# Altium PCB mdriver_control.PcbDoc (part 3 of 3)
Units mm, origin at the board's own origin, x right, y up, seen from the top; angles counter-clockwise.
Board outline 165 x 187 mm, 4 copper layers (Top Layer, Int1 (GND), Int2 (PWR), Bottom Layer), stack 1.369 mm thick; 150 components, 152 nets, 724 pads, 366 vias.
Unrouted connection lines stored in the file: 52.
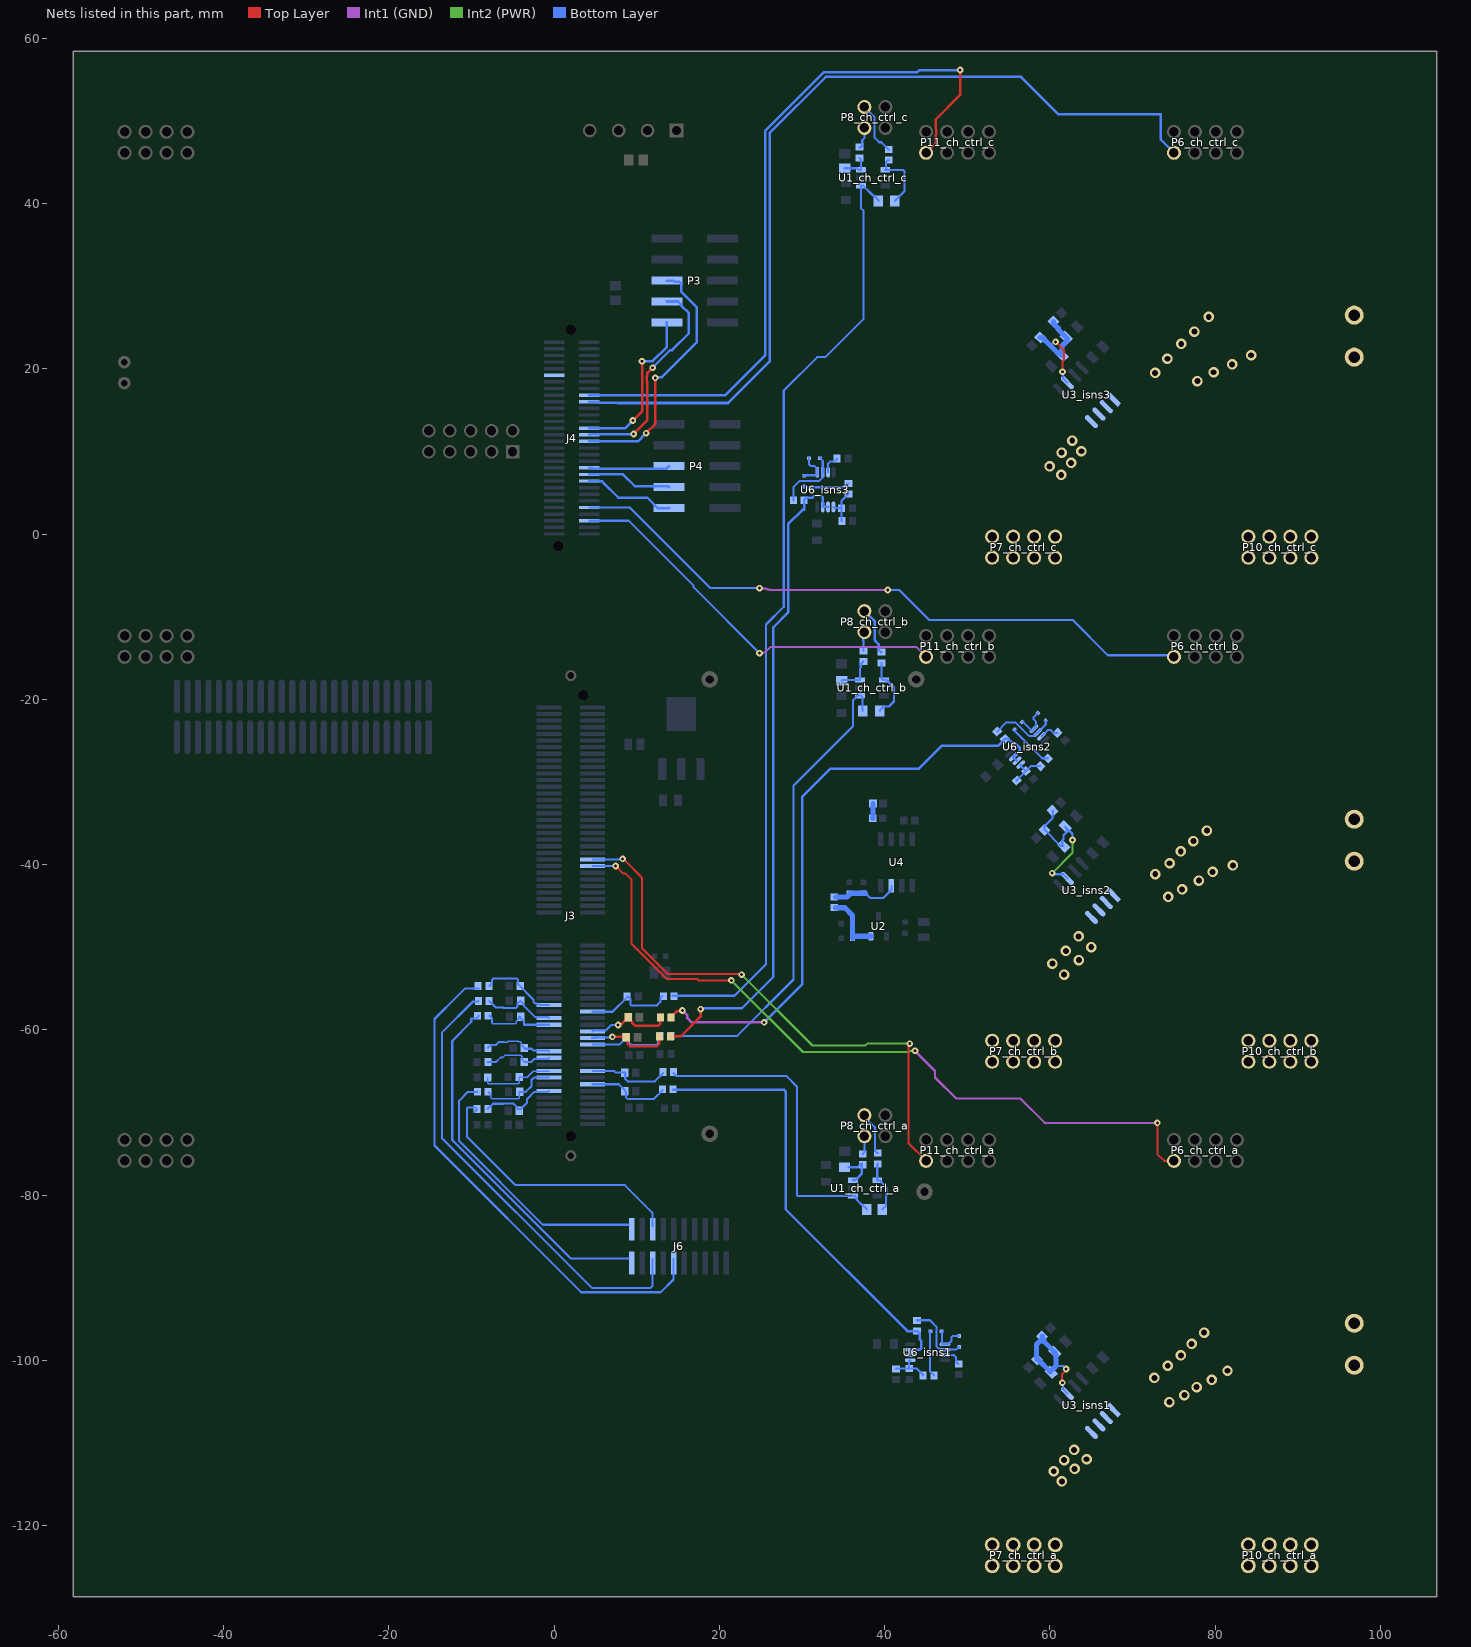
[diagram p5: the nets of this part, all layers, seen from the top]

## Via types
v1: diameter 0.8, hole 0.35, Top Layer to Bottom Layer, 156 vias
v2: diameter 0.8, hole 0.35, Top Layer to Bottom Layer, tented both sides, 149 vias
v3: diameter 1.27, hole 0.711, Top Layer to Bottom Layer, 55 vias
v4: diameter 5, hole 5, Top Layer to Bottom Layer, 6 vias

## Nets (pads, with @x,y where several pads share a name; then routed paths per layer and width w, separated by ;. In a path a pad name is that pad's centre, name@x,y a point inside that pad or via, vN(x,y) a via of type N, cw(c..) or ccw(c..) an arc to the next point about the centre after c; other vN are vias at no path point) (continued)
isense_che: C21.2 J3.15 R20.1 | length 9.8
  Bottom Layer w0.152: R20.1@-7.989,-67.496 -7.64,-67.845 -7.64,-68.195 -7.509,-68.327 -4.311,-68.327 -4.222,-68.237 -4.222,-67.554 C21.2@-4.165,-67.496
  Bottom Layer w0.254: C21.2@-4.165,-67.496 -3.414,-67.496 -2.735,-66.817 -2.735,-66.067 -2.45,-65.782 J3.15@-0.607,-65.782
isense_che_in: J6.19 R20.2 | length 32.2
  Bottom Layer w0.254: R20.2@-9.289,-67.496 -10.414,-67.496 -11.491,-68.573 -11.491,-73.453 -1.356,-83.587 9.015,-83.587
isense_chf: C25.2 J3.33 R22.1 | length 9.1
  Bottom Layer w0.254: R22.1@-7.825,-56.487 -7.825,-56.537 -7.075,-57.287 -6.139,-57.287 -6.058,-57.368 -4.653,-57.368 -4.423,-57.139 -4.423,-56.81 -4.1,-56.487 -3.777,-56.81 -3.777,-56.97 -2.288,-58.459 -0.73,-58.459 J3.33@-0.607,-58.582
isense_chf_in: J6.16 R22.2 | length 55.2
  Bottom Layer w0.254: R22.2@-9.125,-56.487 -9.212,-56.575 -9.815,-56.575 -13.575,-60.334 -13.575,-73.087 4.566,-91.228 11.674,-91.228 11.928,-90.974 J6.16@11.928,-87.739
isense_peak_a: C22.2 J3.14 R17.1 | length 10.1
  Bottom Layer w0.254: J3.14@4.643,-66.582 7.843,-66.582 8.592,-67.331 8.592,-67.381 8.721,-67.51 8.721,-68.199 8.869,-68.348 12.097,-68.348 13.139,-67.306 R17.1@13.139,-67.256
isense_peak_b: C29.2 J3.30 R26.1 | length 10.3
  Top Layer w0.305: v2(7.754,-59.416) 7.848,-59.322 8.166,-59.322 8.725,-58.762 8.725,-58.687 8.925,-58.487 C29.2@8.95,-58.487 8.95,-58.537 9.444,-59.031 9.444,-59.156 9.775,-59.487 12.625,-59.487 12.875,-59.237 R26.1@12.875,-58.487
  Bottom Layer w0.254: J3.30@4.643,-60.182 4.766,-60.059 6.279,-60.059 6.922,-59.416 v2(7.754,-59.416)
isense_peak_c: C32.2 J3.28 R29.1 | length 10
  Top Layer w0.305: v2(7.053,-60.855) 8.717,-60.855 C32.2@8.75,-60.887 8.925,-61.062 8.925,-61.687 9.225,-61.987 12.425,-61.987 12.725,-61.687 12.725,-60.837 R29.1@12.775,-60.787
  Bottom Layer w0.254: J3.28@5.125,-60.887 5.156,-60.918 6.989,-60.918 v2(7.053,-60.855)
  Bottom Layer w0.305: J3.28@4.643,-60.982 5.03,-60.982 J3.28@5.125,-60.887
isense_peak_d: C34.2 J3.17 R31.1 | length 9.2
  Bottom Layer w0.152: R31.1@-8.029,-65.778 -8.017,-65.789 -8.017,-66.424 -7.901,-66.541 -4.342,-66.541 -4.226,-66.424 C34.2@-4.226,-65.711 -3.26,-65.711 -2.531,-64.982 J3.17@-0.607,-64.982
isense_peak_e: C33.2 J3.23 R30.1 | length 8.4
  Bottom Layer w0.152: -6.075,-61.487 -5.667,-61.487 -5.537,-61.357 -4.363,-61.357 -4.266,-61.454 -4.08,-61.454 -3.958,-61.577 -3.958,-61.83 C33.2@-3.6,-62.187
  Bottom Layer w0.254: R30.1@-7.975,-62.187 -7.975,-62.137 -7.677,-61.839 -7.052,-61.839 -6.7,-61.487 -6.075,-61.487 ; C33.2@-3.625,-62.187 -3.525,-62.287 -2.725,-62.287 -2.512,-62.501 -0.688,-62.501 J3.23@-0.607,-62.582
isense_peak_f: C35.2 J3.21 R32.1 | length 8.6
  Bottom Layer w0.152: -5.939,-63.057 -4.06,-63.057 -3.87,-63.248 -3.87,-63.618 C35.2@-3.6,-63.887
  Bottom Layer w0.203: -7.027,-63.856 -6.996,-63.887 -6.948,-63.84 -6.948,-63.812 -6.48,-63.344 -6.226,-63.344 -5.939,-63.057
  Bottom Layer w0.254: R32.1@-8.025,-63.887 -7.059,-63.887 -7.027,-63.856 ; C35.2@-3.6,-63.887 -2.769,-63.887 -2.387,-63.505 -0.73,-63.505 J3.21@-0.607,-63.382
lega_cha_state: J3.72 P6_ch_ctrl_a.7 | length 92.5
  Top Layer w0.254: v2(7.442,-40.176) 8.322,-41.055 8.614,-41.055 9.389,-41.83 9.389,-49.603 13.631,-53.845 17.333,-53.845 17.507,-54.019 v2(21.461,-54.019) ; v2(73.009,-71.26) 73.009,-75.045 73.821,-75.857 P6_ch_ctrl_a.7@75.015,-75.857
  Int1 (GND) w0.254: v2(43.673,-62.523) 43.673,-62.556 46.098,-64.982 46.098,-65.763 48.648,-68.313 56.43,-68.313 59.377,-71.26 v2(73.009,-71.26)
  Int2 (PWR) w0.254: v2(21.461,-54.019) 30.119,-62.677 42.885,-62.677 43.006,-62.557 43.639,-62.557 v2(43.673,-62.523)
  Bottom Layer w0.254: J3.72@4.643,-40.182 7.435,-40.182 v2(7.442,-40.176)
lega_chb_state: J4.10 P6_ch_ctrl_b.7 | length 78.2
  Int1 (GND) w0.254: v2(24.863,-6.54) 24.917,-6.594 25.644,-6.594 25.771,-6.721 26.042,-6.721 26.092,-6.771 v2(40.384,-6.771)
  Bottom Layer w0.254: J4.10@4.273,3.213 9.171,3.213 18.924,-6.54 v2(24.863,-6.54) ; v2(40.384,-6.771) 41.777,-6.771 45.406,-10.401 62.755,-10.401 67.022,-14.668 74.826,-14.668 P6_ch_ctrl_b.7@75.015,-14.857
lega_chc_state: J4.42 P6_ch_ctrl_c.7 | length 109
  Bottom Layer w0.305: J4.42@4.273,16.015 5.319,16.015 5.461,15.874 7.708,15.874 7.721,15.86 21.067,15.86 26.126,20.919 26.126,48.584 32.876,55.334 56.506,55.334 61.053,50.787 73.438,50.787 73.438,47.72 P6_ch_ctrl_c.7@75.015,46.143
legb_cha_state: J3.74 P11_ch_ctrl_a.7 | length 68
  Top Layer w0.254: v2(8.288,-39.306) 8.347,-39.306 10.634,-41.593 10.634,-50.129 13.742,-53.238 22.616,-53.238 v2(22.696,-53.318) ; v2(43.035,-61.659) 42.931,-61.763 42.931,-62.041 42.892,-62.08 42.892,-73.734 P11_ch_ctrl_a.7@45.015,-75.857
  Int2 (PWR) w0.254: v2(22.696,-53.318) 31.274,-61.896 37.665,-61.896 37.903,-61.659 v2(43.035,-61.659)
  Bottom Layer w0.254: J3.74@4.643,-39.382 8.212,-39.382 v2(8.288,-39.306)
legb_chb_state: J4.6 P11_ch_ctrl_b.7 | length 48.3
  Int1 (GND) w0.254: v2(24.863,-14.414) 24.967,-14.31 25.542,-14.31 26.205,-13.647 43.805,-13.647 P11_ch_ctrl_b.7@45.015,-14.857
  Bottom Layer w0.254: J4.6@4.273,1.613 9.023,1.613 16.891,-6.255 16.891,-6.442 v2(24.863,-14.414)
legb_chc_state: J4.44 P11_ch_ctrl_c.7 | length 88.8
  Top Layer w0.305: P11_ch_ctrl_c.7@45.015,46.143 46.199,47.327 46.199,48.262 ccw(c45.015,48.683) 46.199,49.103 46.199,50.197 49.137,53.135 v2(49.137,56.155)
  Bottom Layer w0.305: J4.44@4.273,16.814 6.582,16.814 20.725,16.814 25.567,21.657 25.567,48.815 32.645,55.893 43.956,55.893 44.218,56.155 v2(49.137,56.155)
"Net10nF 0603_isns1_2": "10nF 0603_isns1.2" R14_isns1.2 R16_isns1.2 U6_isns1.5 | length 4.7
  Bottom Layer w0.254: R16_isns1.2@41.393,-101.013 41.419,-100.988 42.968,-100.988 ; U6_isns1.5@43.103,-99.997 43.058,-99.997 42.968,-100.087 42.968,-100.988 ; R14_isns1.2@44.655,-101.816 44.655,-101.766 43.877,-100.988 42.968,-100.988
"Net10nF 0603_isns2_2": "10nF 0603_isns2.2" R14_isns2.2 R16_isns2.2 U6_isns2.5 | length 4.7
  Bottom Layer w0.254: R16_isns2.2@55.986,-29.829 55.986,-29.793 57.082,-28.697 ; U6_isns2.5@56.477,-27.901 56.445,-27.932 56.445,-28.06 57.082,-28.697 ; R14_isns2.2@58.86,-28.09 58.825,-28.054 57.725,-28.054 57.082,-28.697
"Net10nF 0603_isns3_2": "10nF 0603_isns3.2" R14_isns3.2 R16_isns3.2 U6_isns3.5 | length 4.7
  Bottom Layer w0.254: U6_isns3.5@33.807,3.282 33.807,3.238 33.898,3.147 34.798,3.147 ; R16_isns3.2@34.824,1.572 34.798,1.598 34.798,3.147 ; R14_isns3.2@35.626,4.834 35.576,4.834 34.798,4.056 34.798,3.147
NetC1_isns1_1: C1_isns1.1 C2_isns1.2 R5_isns1.1 R6_isns1.2 U3_isns1.6 | length 15.7
  Top Layer w0.254: v2(61.518,-102.71) 61.482,-102.674 61.482,-101.667 61.956,-101.194 v2(61.956,-101.046)
  Bottom Layer w0.254: R5_isns1.1@59.068,-97.085 59.068,-97.367 59.091,-97.39 R5_isns1.1@59.249,-97.549 ; 60.74,-100.673 61.583,-100.673 v2(61.956,-101.046) ; v2(61.518,-102.71) 61.566,-102.758 61.566,-103.413 61.548,-103.431 U3_isns1.6@62.109,-103.992
  Bottom Layer w0.635: R6_isns1.2@58.428,-99.89 R6_isns1.2@58.568,-99.89 ; R5_isns1.1@59.068,-97.085 59.103,-97.12 59.103,-97.378 59.091,-97.39 58.393,-98.089 58.393,-99.714 R6_isns1.2@58.568,-99.89 ; R5_isns1.1@59.249,-97.549 59.249,-97.682 C1_isns1.1@60.581,-99.014 60.435,-99.014 60.74,-99.319 60.74,-100.673 60.046,-101.367 R6_isns1.2@58.568,-99.89
NetC1_isns2_1: C1_isns2.1 C2_isns2.2 R5_isns2.1 R6_isns2.2 U3_isns2.6 | length 17.3
  Int2 (PWR) w0.254: v2(60.265,-41.034) 62.729,-38.57 v2(62.729,-37.02)
  Bottom Layer w0.254: v2(60.265,-41.034) 60.334,-41.034 60.473,-41.172 61.614,-41.172 U3_isns2.6@62.109,-41.667 ; R5_isns2.1@60.319,-33.487 60.354,-33.523 60.354,-34.05 60.319,-34.086 60.319,-34.376 59.37,-35.325 R6_isns2.2@59.37,-35.799 61.333,-37.762 C2_isns2.2@61.651,-37.762 ; C2_isns2.2@61.571,-37.682 61.492,-37.603 61.492,-37.11 61.651,-36.951 61.651,-36.439 62.012,-36.077 C1_isns2.1@62.012,-35.585 ; C1_isns2.1@61.853,-35.426 61.932,-35.506 C1_isns2.1@62.012,-35.585 ; v2(62.729,-37.02) 62.729,-36.303 C1_isns2.1@62.012,-35.585
NetC1_isns3_1: C1_isns3.1 C2_isns3.2 R5_isns3.1 R6_isns3.2 U3_isns3.6 | length 15
  Top Layer w0.254: v2(60.697,23.254) 61.706,22.245 61.706,21.139 61.509,20.943 61.509,19.648 v2(61.519,19.638)
  Bottom Layer w0.254: 60.064,22.795 60.523,23.254 v2(60.697,23.254) ; v2(61.519,19.638) 61.566,19.591 61.566,18.885 61.562,18.88 U3_isns3.6@62.109,18.333
  Bottom Layer w0.635: R6_isns3.2@58.83,23.8 59.059,23.8 60.064,22.795 61.069,21.79 C2_isns3.2@61.311,21.79 ; R5_isns3.1@60.426,25.738 60.426,25.48 61.01,24.896 61.01,24.758 C1_isns3.1@61.977,23.792 62.136,23.633 62.136,23.41 61.47,22.744 61.47,22.172 61.311,22.013 C2_isns3.2@61.311,21.79 ; C2_isns3.2@61.47,21.631 C2_isns3.2@61.311,21.79
NetC3_2: C3.2 C7.2 R10.2 U4.3 | length 8.1
  Bottom Layer w0.254: C7.2@37.695,-43.466 37.709,-43.466 38.282,-44.039 39.846,-44.039 40.815,-43.07 U4.3@40.815,-42.57
  Bottom Layer w0.635: R10.2@34.084,-43.921 35.451,-43.921 35.873,-43.498 35.873,-43.473 35.881,-43.466 35.906,-43.466 C7.2@37.695,-43.466
NetC4_2: C4.2 R9.2 | length 1.8
  Bottom Layer w0.635: C4.2@38.563,-34.411 38.582,-34.392 38.582,-32.627 R9.2@38.601,-32.609
NetC6_2: C6.2 C8.2 R10.1 U2.2 | length 7.2
  Bottom Layer w0.635: R10.1@34.084,-45.221 35.192,-45.221 36.119,-46.147 C8.2@36.119,-47.143 C6.2@36.119,-48.921 ; C6.2@36.352,-48.663 U2.2@38.328,-48.663
NetD2_isns1_1: D2_isns1.1 D3_isns1.2 U6_isns1.1 | length 4.3
  Bottom Layer w0.254: D3_isns1.2@46.879,-96.456 46.942,-96.519 46.942,-97.956 47.033,-98.047 47.675,-98.047 48.071,-97.651 48.071,-97.221 48.251,-97.041 D2_isns1.1@49.013,-97.041
NetD2_isns1_2: D2_isns1.2 R13_isns1.1 U6_isns1.2 | length 8.1
  Bottom Layer w0.254: R13_isns1.1@43.908,-95.146 45.484,-95.146 46.258,-95.921 46.258,-98.284 46.634,-98.659 47.266,-98.659 U6_isns1.2@47.303,-98.697 48.677,-98.697 48.9,-98.474 48.94,-98.474 49.013,-98.401 D2_isns1.2@49.013,-98.361
NetD2_isns2_1: D2_isns2.1 D3_isns2.2 U6_isns2.1 | length 4.3
  Bottom Layer w0.254: D3_isns2.2@56.643,-22.727 56.732,-22.727 57.748,-23.743 57.876,-23.743 58.331,-23.289 58.331,-22.729 58.026,-22.425 58.026,-22.171 D2_isns2.1@58.565,-21.631
NetD2_isns2_2: D2_isns2.2 R13_isns2.1 U6_isns2.2 | length 8.1
  Bottom Layer w0.254: R13_isns2.1@53.615,-23.902 54.73,-22.787 55.825,-22.787 57.496,-24.458 58.027,-24.458 58.474,-24.011 U6_isns2.2@58.527,-24.011 59.499,-23.04 59.499,-22.725 59.527,-22.696 59.527,-22.593 D2_isns2.2@59.499,-22.565
NetD2_isns3_1: D2_isns3.1 D3_isns3.2 U6_isns3.1 | length 4.3
  Bottom Layer w0.254: D3_isns3.2@30.267,7.058 30.33,7.121 31.767,7.121 31.857,7.212 31.857,7.854 31.461,8.25 31.031,8.25 30.851,8.43 D2_isns3.1@30.851,9.192
NetD2_isns3_2: D2_isns3.2 R13_isns3.1 U6_isns3.2 | length 8.1
  Bottom Layer w0.254: R13_isns3.1@28.956,4.087 28.956,5.663 29.731,6.437 32.094,6.437 32.47,6.813 32.47,7.445 U6_isns3.2@32.507,7.482 32.507,8.856 32.284,9.079 32.284,9.119 32.211,9.192 D2_isns3.2@32.171,9.192
NetD3_isns1_1: D3_isns1.1 R14_isns1.1 | length 5.6
  Bottom Layer w0.254: D3_isns1.1@45.559,-96.456 45.556,-96.456 45.483,-96.529 45.483,-101.294 45.955,-101.766 R14_isns1.1@45.955,-101.816
NetD3_isns2_1: D3_isns2.1 R14_isns2.1 | length 5.6
  Bottom Layer w0.254: D3_isns2.1@55.71,-23.66 55.707,-23.663 55.707,-23.766 59.076,-27.135 59.744,-27.135 R14_isns2.1@59.779,-27.17
NetD3_isns3_1: D3_isns3.1 R14_isns3.1 | length 5.6
  Bottom Layer w0.254: D3_isns3.1@30.267,5.738 30.267,5.735 30.34,5.662 35.104,5.662 35.576,6.134 R14_isns3.1@35.626,6.134
NetJ1_ch_ctrl_a_1: J1_ch_ctrl_a.1 P10_ch_ctrl_a.1 P10_ch_ctrl_a.2 P10_ch_ctrl_a.3 P10_ch_ctrl_a.4 P10_ch_ctrl_a.5 P10_ch_ctrl_a.6 P10_ch_ctrl_a.7 P10_ch_ctrl_a.8
NetJ1_ch_ctrl_a_2: J1_ch_ctrl_a.2 U3_isns1.1 U3_isns1.2
  other v3: 74.464,-105.046 76.274,-104.19 77.761,-103.236 79.585,-102.352 72.64,-102.114 81.493,-101.258 74.267,-100.655 75.853,-99.392 77.157,-98.003 78.659,-96.628
NetJ1_ch_ctrl_b_1: J1_ch_ctrl_b.1 P10_ch_ctrl_b.1 P10_ch_ctrl_b.2 P10_ch_ctrl_b.3 P10_ch_ctrl_b.4 P10_ch_ctrl_b.5 P10_ch_ctrl_b.6 P10_ch_ctrl_b.7 P10_ch_ctrl_b.8
NetJ1_ch_ctrl_b_2: J1_ch_ctrl_b.2 U3_isns2.1 U3_isns2.2
  other v3: 74.32,-43.912 76.008,-43.001 78.038,-41.939 72.745,-41.142 79.689,-40.895 82.156,-40.098 74.49,-39.832 75.837,-38.409 77.374,-37.157 79.006,-35.886
NetJ1_ch_ctrl_c_1: J1_ch_ctrl_c.1 P10_ch_ctrl_c.1 P10_ch_ctrl_c.2 P10_ch_ctrl_c.3 P10_ch_ctrl_c.4 P10_ch_ctrl_c.5 P10_ch_ctrl_c.6 P10_ch_ctrl_c.7 P10_ch_ctrl_c.8
NetJ1_ch_ctrl_c_2: J1_ch_ctrl_c.2 U3_isns3.1 U3_isns3.2
  other v3: 77.841,18.516 72.729,19.511 79.814,19.579 82.05,20.533 74.225,21.211 84.353,21.64 75.891,23.013 77.489,24.509 79.223,26.277
NetP7_ch_ctrl_a_1: P7_ch_ctrl_a.1 P7_ch_ctrl_a.2 P7_ch_ctrl_a.3 P7_ch_ctrl_a.4 P7_ch_ctrl_a.5 P7_ch_ctrl_a.6 P7_ch_ctrl_a.7 P7_ch_ctrl_a.8 U3_isns1.3 U3_isns1.4
  other v3: 61.445,-114.642 60.463,-113.421 62.988,-113.127 61.711,-112.075 64.433,-111.962 62.918,-110.84
NetP7_ch_ctrl_b_1: P7_ch_ctrl_b.1 P7_ch_ctrl_b.2 P7_ch_ctrl_b.3 P7_ch_ctrl_b.4 P7_ch_ctrl_b.5 P7_ch_ctrl_b.6 P7_ch_ctrl_b.7 P7_ch_ctrl_b.8 U3_isns2.3 U3_isns2.4
  other v3: 61.717,-53.304 60.31,-51.982 63.508,-51.555 61.93,-50.447 65.001,-49.978 63.465,-48.698
NetP7_ch_ctrl_c_1: P7_ch_ctrl_c.1 P7_ch_ctrl_c.2 P7_ch_ctrl_c.3 P7_ch_ctrl_c.4 P7_ch_ctrl_c.5 P7_ch_ctrl_c.6 P7_ch_ctrl_c.7 P7_ch_ctrl_c.8 U3_isns3.3 U3_isns3.4
  other v3: 61.376,7.166 59.969,8.189 62.57,8.616 61.419,9.852 63.807,10.023 62.698,11.302
NetR1_ch_ctrl_a_1: R1_ch_ctrl_a.1 R2_ch_ctrl_a.2 U1_ch_ctrl_a.4 | length 6.4
  Bottom Layer w0.254: R2_ch_ctrl_a.2@39.175,-76.208 39.109,-76.274 U1_ch_ctrl_a.4@39.109,-78.209 39.384,-78.209 40.225,-79.05 40.225,-80.089 40.176,-80.137 40.176,-81.276 R1_ch_ctrl_a.1@39.728,-81.724
NetR1_ch_ctrl_a_2: R1_ch_ctrl_a.2 R11.2 U1_ch_ctrl_a.1 | length 38.1
  Bottom Layer w0.254: R11.2@14.459,-65.224 14.459,-65.274 14.757,-65.572 28.096,-65.572 29.373,-66.849 29.373,-79.96 29.522,-80.109 U1_ch_ctrl_a.1@36.159,-80.109 36.434,-80.109 36.632,-80.307 36.632,-80.56 37.26,-81.188 37.36,-81.188 37.808,-81.636 R1_ch_ctrl_a.2@37.808,-81.736
NetR1_ch_ctrl_b_1: R1_ch_ctrl_b.1 R2_ch_ctrl_b.2 U1_ch_ctrl_b.4 | length 7.8
  Bottom Layer w0.254: R1_ch_ctrl_b.1@39.419,-21.411 39.419,-21.311 39.867,-20.863 40.532,-20.863 41.139,-20.256 41.139,-18.572 40.222,-17.655 U1_ch_ctrl_b.4@39.947,-17.655 39.813,-17.655 39.615,-17.457 R2_ch_ctrl_b.2@39.615,-15.587
NetR1_ch_ctrl_b_2: R1_ch_ctrl_b.2 R25.2 U1_ch_ctrl_b.1 | length 57.8
  Bottom Layer w0.254: R25.2@13.875,-60.728 22.16,-60.728 28.975,-53.913 28.975,-30.437 36.186,-23.226 36.186,-20.091 36.722,-19.555 U1_ch_ctrl_b.1@36.997,-19.555 37.145,-19.555 37.343,-19.753 R1_ch_ctrl_b.2@37.343,-21.399
NetR1_ch_ctrl_c_1: R1_ch_ctrl_c.1 R2_ch_ctrl_c.2 U1_ch_ctrl_c.4 | length 7.9
  Bottom Layer w0.254: U1_ch_ctrl_c.4@40.074,44.067 U1_ch_ctrl_c.4@40.349,44.067 ; R2_ch_ctrl_c.2@40.504,45.261 40.454,45.261 40.156,44.963 40.156,44.26 U1_ch_ctrl_c.4@40.349,44.067 ; R1_ch_ctrl_c.1@41.252,40.323 42.411,41.481 42.411,43.918 42.262,44.067 U1_ch_ctrl_c.4@40.349,44.067
NetR1_ch_ctrl_c_2: R1_ch_ctrl_c.2 R28.2 U1_ch_ctrl_c.1 | length 115.7
  Bottom Layer w0.254: R28.2@14.325,-55.877 21.836,-55.877 25.644,-52.068 25.644,-10.94 27.792,-8.792 27.792,17.379 31.825,21.413 32.825,21.413 37.456,26.044 37.456,39.111 37.124,39.443 U1_ch_ctrl_c.1@37.124,42.167 37.399,42.167 38.599,40.967 38.599,40.958 38.713,40.958 39.248,40.423 R1_ch_ctrl_c.2@39.248,40.323
NetR3_ch_ctrl_a_2: R3_ch_ctrl_a.2 R4_ch_ctrl_a.2 U1_ch_ctrl_a.3 | length 4.3
  Bottom Layer w0.305: R4_ch_ctrl_a.2@35.678,-76.63 36.724,-76.63 37.152,-76.202 37.202,-76.202 37.202,-77.441 36.434,-78.209 U1_ch_ctrl_a.3@36.159,-78.209
NetR3_ch_ctrl_b_2: R3_ch_ctrl_b.2 R4_ch_ctrl_b.2 U1_ch_ctrl_b.3 | length 4.6
  Bottom Layer w0.254: R4_ch_ctrl_b.2@34.809,-17.722 34.876,-17.655 U1_ch_ctrl_b.3@36.997,-17.655 36.997,-16.28 37.108,-16.169 37.108,-15.743 37.406,-15.445 R3_ch_ctrl_b.2@37.456,-15.445
NetR3_ch_ctrl_c_2: R3_ch_ctrl_c.2 R4_ch_ctrl_c.2 U1_ch_ctrl_c.3 | length 3.6
  Bottom Layer w0.254: R4_ch_ctrl_c.2@35.17,44.274 36.642,44.274 36.849,44.067 U1_ch_ctrl_c.3@37.124,44.067 37.124,45.339 R3_ch_ctrl_c.2@36.948,45.515
NetR13_isns1_2: R13_isns1.2 R17.2 U6_isns1.6 U6_isns1.7 | length 54.3
  Bottom Layer w0.305: R17.2@14.439,-67.256 27.847,-67.256 28.025,-67.435 28.025,-81.713 42.758,-96.446 R13_isns1.2@43.908,-96.446 43.958,-96.446 44.23,-96.719 44.23,-97.439 44.441,-97.65 44.441,-98.518 44.263,-98.697 U6_isns1.7@43.103,-98.697 U6_isns1.6@43.103,-99.347
NetR13_isns2_2: R13_isns2.2 R26.2 U6_isns2.6 U6_isns2.7 | length 73.4
  Top Layer w0.305: R26.2@14.175,-58.487 14.175,-58.437 14.879,-57.734 15.455,-57.734 v1(15.525,-57.663)
  Int1 (GND) w0.305: v1(15.525,-57.663) 15.525,-57.681 16.123,-58.278 16.123,-58.585 16.625,-59.088 v1(25.425,-59.088)
  Bottom Layer w0.305: v1(25.425,-59.088) 30.015,-54.497 30.015,-31.797 33.425,-28.387 44.147,-28.387 46.901,-25.633 53.722,-25.633 R13_isns2.2@54.535,-24.821 54.57,-24.785 54.956,-24.785 55.465,-25.295 55.763,-25.295 56.377,-25.909 56.377,-26.161 U6_isns2.7@55.557,-26.981 U6_isns2.6@56.017,-27.441
NetR13_isns3_2: R13_isns3.2 R29.2 U6_isns3.6 U6_isns3.7 | length 79.7
  Top Layer w0.305: R29.2@14.075,-60.787 15.325,-60.787 17.725,-58.387 v1(17.725,-57.487)
  Bottom Layer w0.305: v1(17.725,-57.487) 17.825,-57.387 22.725,-57.387 26.525,-53.587 26.525,-11.287 28.325,-9.487 28.325,1.213 30.05,2.938 30.256,2.938 R13_isns3.2@30.256,4.087 30.256,4.137 30.529,4.409 31.25,4.409 31.461,4.62 32.329,4.62 32.507,4.442 U6_isns3.7@32.507,3.282 U6_isns3.6@33.157,3.282
NetR15_isns1_2: R15_isns1.2 U6_isns1.3 | length 2.4
  Bottom Layer w0.254: U6_isns1.3@47.303,-99.347 48.348,-99.347 48.614,-99.614 48.614,-100.131 48.912,-100.429 R15_isns1.2@48.962,-100.429
NetR15_isns2_2: R15_isns2.2 U6_isns2.3 | length 2.4
  Bottom Layer w0.254: U6_isns2.3@58.987,-24.471 59.725,-23.733 60.103,-23.733 60.469,-24.099 60.89,-24.099 R15_isns2.2@60.925,-24.063
NetR15_isns3_2: R15_isns3.2 U6_isns3.3 | length 2.4
  Bottom Layer w0.254: U6_isns3.3@33.157,7.482 33.157,8.527 33.424,8.793 33.942,8.793 34.24,9.091 R15_isns3.2@34.24,9.141
res_en_a: J4.34 P3.1 | length 20
  Top Layer w0.305: v1(9.533,13.744) 10.64,14.852 v1(10.64,20.908)
  Bottom Layer w0.305: J4.34@4.273,12.813 8.621,12.813 9.533,13.726 v1(9.533,13.744) ; v1(10.64,20.908) 11.497,20.908 11.518,20.929 11.925,20.929 13.64,22.644 P3.1@13.64,25.603
res_en_b: J4.32 P3.3 | length 26.3
  Top Layer w0.305: v1(9.621,12.11) 11.29,13.779 11.29,18.392 11.234,18.449 11.234,19.117 11.29,19.173 11.29,19.493 v1(11.919,20.122)
  Bottom Layer w0.305: J4.32@4.273,12.014 4.321,12.062 9.573,12.062 v1(9.621,12.11) ; v1(11.919,20.122) 14.054,22.258 14.275,22.258 16.315,24.298 16.315,26.727 15.363,27.679 15.363,27.795 15.015,28.143 P3.3@13.64,28.143
res_en_c: J4.30 P3.5 | length 31.1
  Top Layer w0.305: v1(11.14,12.208) 12.247,13.315 v1(12.247,18.895)
  Bottom Layer w0.305: J4.30@4.273,11.214 4.796,11.214 4.84,11.258 4.884,11.214 10.146,11.214 v1(11.14,12.208) ; v1(12.247,18.895) 12.342,18.99 13.047,18.99 17.29,23.233 17.29,27.442 15.363,29.37 15.363,30.335 15.165,30.533 14.565,30.533 14.415,30.683 P3.5@13.64,30.683
res_en_d: J4.18 P4.1 | length 11
  Bottom Layer w0.305: J4.18@4.273,6.413 4.323,6.362 5.811,6.362 7.765,4.408 11.27,4.408 12.535,3.143 P4.1@13.91,3.143
res_en_e: J4.20 P4.3 | length 10.3
  Bottom Layer w0.305: J4.20@4.273,7.213 8.335,7.213 9.765,5.783 13.81,5.783 P4.3@13.91,5.683
res_en_f: J4.22 P4.5 | length 9.8
  Bottom Layer w0.305: J4.22@4.273,8.014 4.589,8.014 4.64,7.963 4.64,7.933 13.62,7.933 P4.5@13.91,8.223
vdcmm_ch_ctrl_a: P8_ch_ctrl_a.3 R3_ch_ctrl_a.1 | length 2.2
  Bottom Layer w0.254: R3_ch_ctrl_a.1@37.355,-75.023 37.55,-74.828 P8_ch_ctrl_a.3@37.55,-72.862
vdcmm_ch_ctrl_b: P8_ch_ctrl_b.3 R3_ch_ctrl_b.1 | length 2.4
  Bottom Layer w0.254: R3_ch_ctrl_b.1@37.456,-14.145 37.456,-13.008 37.41,-12.961 37.41,-12.003 P8_ch_ctrl_b.3@37.555,-11.857
vdcmm_ch_ctrl_c: P8_ch_ctrl_c.3 R3_ch_ctrl_c.1 | length 2.7
  Bottom Layer w0.254: R3_ch_ctrl_c.1@36.948,46.815 37.123,46.815 37.125,46.813 37.296,46.984 37.296,47.653 37.555,47.912 P8_ch_ctrl_c.3@37.555,49.143
vdcmp_ch_ctrl_a: P8_ch_ctrl_a.2 R2_ch_ctrl_a.1 | length 5.3
  Bottom Layer w0.254: P8_ch_ctrl_a.2@37.55,-70.322 37.55,-70.512 38.825,-71.787 38.825,-74.559 38.827,-74.56 38.827,-74.61 39.125,-74.908 R2_ch_ctrl_a.1@39.175,-74.908
vdcmp_ch_ctrl_b: P8_ch_ctrl_b.2 R2_ch_ctrl_b.1 | length 5.9
  Bottom Layer w0.305: P8_ch_ctrl_b.2@37.555,-9.317 38.812,-10.574 38.812,-12.874 39.293,-13.355 39.293,-14.015 39.565,-14.287 R2_ch_ctrl_b.1@39.615,-14.287
vdcmp_ch_ctrl_c: P8_ch_ctrl_c.2 R2_ch_ctrl_c.1 | length 6.5
  Bottom Layer w0.254: P8_ch_ctrl_c.2@37.555,51.683 38.786,50.452 38.786,47.974 39.344,47.416 39.599,47.416 40.454,46.561 R2_ch_ctrl_c.1@40.504,46.561
vsense_cha: C18.2 J3.18 R11.1 | length 9.9
  Bottom Layer w0.254: J3.18@4.643,-64.982 7.008,-64.982 7.027,-65.001 7.274,-65.001 7.446,-65.173 8.613,-65.173 8.613,-65.946 8.907,-66.24 12.193,-66.24 13.159,-65.274 R11.1@13.159,-65.224
vsense_chb: C28.2 J3.26 R25.1 | length 10.2
  Bottom Layer w0.254: J3.26@4.643,-61.782 7.891,-61.782 8.689,-60.985 8.689,-60.753 9.012,-61.076 9.012,-61.494 9.364,-61.846 12.426,-61.846 12.575,-61.697 R25.1@12.575,-60.728
vsense_chc: C31.2 J3.36 R28.1 | length 10.9
  Bottom Layer w0.254: J3.36@4.643,-57.782 4.668,-57.807 7.073,-57.807 8.903,-55.977 8.903,-55.927 9.226,-56.25 9.226,-56.922 9.375,-57.07 12.386,-57.07 12.853,-56.603 12.853,-56.131 R28.1@13.083,-55.902
vsense_chd: C17.2 J3.11 R19.1 | length 9.2
  Bottom Layer w0.254: R19.1@-8.025,-69.587 -8.025,-69.537 -7.727,-69.239 -7.677,-69.239 -7.374,-68.936 -6.203,-68.936 -6.174,-68.907 -4.958,-68.907 -4.539,-69.326 -4.539,-69.415 -4.367,-69.587 -4.065,-69.587 -3.284,-68.807 -3.284,-68.406 -2.384,-67.505 -0.73,-67.505 J3.11@-0.607,-67.382
vsense_chd_in: J6.15 R19.2 | length 32.9
  Bottom Layer w0.254: R19.2@-9.623,-69.935 -9.325,-69.637 R19.2@-9.325,-69.587 ; R19.2@-9.528,-69.372 -10.412,-69.372 -10.56,-69.52 -10.56,-72.902 -4.675,-78.787 8.55,-78.787 11.892,-82.129 11.892,-83.714 J6.15@11.935,-83.757
vsense_che: C23.2 J3.31 R21.1 | length 9.1
  Bottom Layer w0.152: -7.527,-59.096 -7.514,-59.109 -7.514,-59.283 -4.703,-59.283 -4.599,-59.179 -4.599,-58.961 -4.524,-58.887
  Bottom Layer w0.254: R21.1@-7.825,-58.287 -7.527,-58.585 -7.527,-59.096 ; C23.2@-4.347,-58.722 C23.2@-4.047,-58.423 ; C23.2@-4.225,-58.387 -4.225,-58.437 -3.902,-58.76 -3.852,-58.76 -3.63,-58.982 -3.63,-59.382 J3.31@-0.607,-59.382
vsense_che_in: J6.20 R21.2 | length 44
  Bottom Layer w0.254: R21.2@-9.125,-58.287 -9.125,-58.337 -9.423,-58.635 -10.023,-58.635 -10.023,-59.035 -12.33,-61.343 -12.33,-73.332 1.989,-87.651 9.015,-87.651
vsense_chf: C26.2 J3.37 R23.1 | length 9.6
  Bottom Layer w0.254: R23.1@-7.825,-54.687 -7.527,-54.389 -7.527,-53.966 -7.367,-53.806 -4.519,-53.806 -4.359,-53.966 -4.359,-54.478 -2.512,-56.325 -2.512,-56.59 -2.289,-56.813 -2.05,-56.813 -1.881,-56.982 J3.37@-0.607,-56.982
vsense_chf_in: J6.12 R23.2 | length 61.6
  Bottom Layer w0.254: R23.2@-9.082,-54.972 -10.759,-54.972 -11.55,-55.762 -14.475,-58.687 -14.475,-73.987 3.292,-91.754 12.897,-91.754 14.447,-90.204 J6.12@14.447,-87.727
¬rel_en_c: J4.49
pads on no net: J3. J3.1 J3.2 J3.3 J3.4 J3.5 J3.6 J3.8 J3.20 J3.25 J3.27 J3.32 J3.39 J3.40 J3.41 J3.42 J3.43 J3.44 J3.45 J3.65 J3.66 J3.68 J3.70 J3.76 J3.78 J3.82 J3.86 J3.88 J3.94 J3.96 J3.100 J3.102 J3.104 J3.106 J3.108 J3.110 J3.113 J3.114 J3.115 J3.116 J3.117 J3.118 J3.119 J3.120 J3.121 J3.122 J4.2 J4.4 J4.5 J4.9 J4.11 J4.12 J4.13 J4.14 J4.16 J4.17 J4.19 J4.21 J4.24 J4.26 J4.28 J4.35 J4.39 J4.40 J4.43 J4.45 J4.46 J4.47 J4.51 J4.52 J4.53 J4.54 J4.55 J4.56 J4.57 J4.58 J4.MH1 J4.MH2 J8.44 J8.46 P3.2 P4.2 U4.1 U4.5 U4.8
copper on no net:
  other v4: 72.015,-123.857 -51.985,-92.857 71.015,-63.857 -50.985,-31.857 72.015,-2.857 -50.985,29.143

## Polygon pours and split planes (outlines as drawn)
GND on Bottom Layer "NONET_L02_P-001" (solid, pour order 81): -55.486,57.332 32.014,57.332 85.014,57.332 85.014,43.332 32.014,-11.668 84.014,-11.668 84.014,-16.118 32.014,-72.018 85.014,-71.668 85.014,-77.668 52.014,-112.668 32.014,-112.668 -55.486,-112.668
+5 on Bottom Layer "NONET_L01_P-001" (solid, pour order 70): 12.825,57.413 12.825,-7.587 12.825,-19.587 12.825,-78.837 -55.175,-78.837 -55.175,57.413
+3.3 on Bottom Layer "NONET_L01_P-001" (solid, pour order 13): -35.945,-21.762 -35.985,-21.722 -35.985,-16.317 -35.869,-16.201 -22.091,-16.201 -21.985,-16.307 -21.985,-21.817
GND on Bottom Layer "NONET_L01_P-001" (solid, pour order 14): -40.985,-22.317 -24.985,-22.317 -24.985,-29.817 -27.985,-29.817 -27.985,-27.317 -40.985,-27.317
+5A on Bottom Layer "NONET_L01_P-001" (solid, pour order 15): 6.075,24.663 11.575,24.663 11.575,21.913 6.075,21.913
+5 on Bottom Layer "NONET_L02_P-001" (solid, pour order 19): 3.825,-23.587 13.825,-23.587 13.825,-35.587 3.825,-35.587
no net on Bottom Layer "NONET_L02_P-001" (solid, pour order 82): -48.175,-114.587 47.825,-114.587 47.825,-127.587 -48.175,-127.587
NetJ1_ch_ctrl_a_2 on Bottom Layer "NONET_L02_P-001" (solid, pour order 93): 68.447,-108.818 66.01,-106.38 69.293,-103.098 70.825,-102.587 79.825,-93.587 98.825,-93.587 98.825,-97.587 92.825,-97.587
NetJ1_ch_ctrl_b_2 on Bottom Layer "NONET_L02_P-001" (solid, pour order 92): 69.222,-47.461 66.087,-44.326 67.825,-42.587 70.825,-41.587 79.825,-32.587 98.825,-32.587 98.825,-36.587 92.825,-36.587
NetJ1_ch_ctrl_c_2 on Bottom Layer "NONET_L02_P-001" (solid, pour order 88): 68.601,13.253 65.984,15.871 68.875,18.763 70.825,19.413 79.825,28.413 98.825,28.413 98.825,24.413 92.825,24.413
NetP7_ch_ctrl_b_1 on Bottom Layer "NONET_L02_P-001" (solid, pour order 87): 51.825,-65.587 61.825,-65.587 61.825,-54.587 68.619,-47.794 65.676,-44.851 51.825,-58.702
NetP7_ch_ctrl_c_1 on Bottom Layer "NONET_L02_P-001" (solid, pour order 85): 51.825,-4.587 61.825,-4.587 61.825,6.413 68.107,12.694 65.493,15.308 51.825,1.639
NetP7_ch_ctrl_a_1 on Bottom Layer "NONET_L02_P-001" (solid, pour order 84): 51.825,-126.587 61.825,-126.587 61.825,-115.587 67.917,-109.495 65.448,-107.026 51.825,-120.649
no net on Bottom Layer "NONET_L02_P-001" (solid, pour order 83): 98.753,-126.515 98.753,-99.515 94.753,-99.515 82.753,-116.515 82.753,-126.515
NetJ1_ch_ctrl_a_1 on Bottom Layer "NONET_L02_P-001" (solid, pour order 71): 98.825,-126.587 98.825,-99.587 94.825,-99.587 82.825,-116.587 82.825,-126.587
NetJ1_ch_ctrl_c_1 on Bottom Layer "NONET_L02_P-001" (solid, pour order 75): 98.825,-4.587 98.825,22.413 94.825,22.413 82.825,5.413 82.825,-4.587
NetJ1_ch_ctrl_b_1 on Bottom Layer "NONET_L02_P-001" (solid, pour order 80): 98.825,-65.587 98.825,-38.587 94.825,-38.587 82.825,-55.587 82.825,-65.587
no net on Top Layer "NONET_L02_P-001" (solid, pour order 77): -15.175,57.913 -55.675,57.913 -55.675,-114.587 24.825,-114.587 24.825,-53.317 12.015,-53.317 12.325,25.413 -15.175,25.413
+5 on Top Layer "NONET_L01_P-001" (solid, pour order 24): 12.325,57.913 12.325,-7.087 12.325,-19.087 12.325,-78.337 -55.675,-78.337 -55.675,57.913
AGND on Top Layer "NONET_L02_P-001" (solid, pour order 22): -10.075,-54.087 28.084,-54.087 28.084,-93.087 -10.075,-93.087
AGND on Top Layer "NONET_L02_P-001" (solid, pour order 60): 25.825,-5.587 41.825,-0.587 41.825,-28.286 48.018,-28.286 48.018,-20.587 69.825,-20.587 69.973,-32.194 56.825,-45.587 52.312,-50.961 48.018,-51.286 41.825,-51.286 41.825,-109.587 25.825,-109.587
+12 on Top Layer "NONET_L01_P-001" (solid, pour order 90): 12.765,42.683 17.115,42.683 17.115,1.779 12.765,1.779
12RTN on Top Layer "NONET_L01_P-001" (solid, pour order 91): 18.515,42.683 24.34,42.683 24.34,1.666 18.515,1.666
AGND on Top Layer "NONET_L02_P-001" (solid, pour order 21): 25.925,57.413 42.825,57.413 42.825,24.413 25.925,24.413 25.925,47.413 25.925,43.558 6.015,43.558 6.015,54.413 10.015,54.413 10.015,57.413
GND on Top Layer "NONET_L01_P-001" (solid, pour order 20): 6.015,54.413 9.792,54.413 9.792,43.583 6.015,43.583
AGND on Top Layer "NONET_L02_P-001" (solid, pour order 31): 69.825,23.413 64.825,28.413 61.325,31.413 54.825,24.913 25.825,24.913 25.825,-6.587 35.825,-6.587 57.825,15.413 61.825,15.413
AGND on Top Layer "NONET_L02_P-001" (solid, pour order 57): 69.088,-97.85 64.825,-93.587 59.825,-88.161 34.281,-88.161 34.281,-109.587 57.35,-109.587
AGND on Top Layer "NONET_L02_P-001" (solid, pour order 58): 34.325,-69.087 41.825,-69.087 41.825,-105.237 34.325,-105.237
no net on Top Layer "NONET_L02_P-001" (solid, pour order 69): -48.175,-114.587 47.825,-114.587 47.825,-127.587 -48.175,-127.587
NetJ1_ch_ctrl_a_2 on Top Layer "NONET_L02_P-001" (solid, pour order 76): 68.447,-108.818 66.01,-106.38 69.293,-103.098 70.825,-102.587 79.825,-93.587 98.825,-93.587 98.825,-97.587 92.825,-97.587
NetP7_ch_ctrl_a_1 on Top Layer "NONET_L02_P-001" (solid, pour order 25): 51.825,-126.587 61.825,-126.587 61.825,-115.587 67.917,-109.495 65.448,-107.026 51.825,-120.649
NetJ1_ch_ctrl_c_2 on Top Layer "NONET_L02_P-001" (solid, pour order 68): 68.601,13.253 65.984,15.871 68.875,18.763 70.825,19.413 79.825,28.413 98.825,28.413 98.825,24.413 92.825,24.413
NetP7_ch_ctrl_c_1 on Top Layer "NONET_L02_P-001" (solid, pour order 26): 51.825,-4.587 61.825,-4.587 61.825,6.413 68.107,12.694 65.493,15.308 51.825,1.639
NetP7_ch_ctrl_b_1 on Top Layer "NONET_L02_P-001" (solid, pour order 61): 51.825,-65.587 61.825,-65.587 61.825,-54.587 68.619,-47.794 65.676,-44.851 51.825,-58.702
NetJ1_ch_ctrl_b_2 on Top Layer "NONET_L02_P-001" (solid, pour order 73): 69.222,-47.461 66.087,-44.326 67.825,-42.587 70.825,-41.587 79.825,-32.587 98.825,-32.587 98.825,-36.587 92.825,-36.587
NetJ1_ch_ctrl_a_1 on Top Layer "NONET_L02_P-001" (solid, pour order 89): 98.768,-126.623 98.768,-99.623 94.768,-99.623 82.768,-116.623 82.768,-126.623
NetJ1_ch_ctrl_c_1 on Top Layer "NONET_L02_P-001" (solid, pour order 86): 98.733,-4.677 98.733,22.323 94.733,22.323 82.733,5.323 82.733,-4.677
NetJ1_ch_ctrl_b_1 on Top Layer "NONET_L02_P-001" (solid, pour order 78): 98.805,-65.524 98.805,-38.524 94.805,-38.524 82.805,-55.524 82.805,-65.524
+3.3 on Int1 (GND) "NONET_L02_P-001" (solid, pour order 56): 31.825,57.413 31.825,-112.587 -55.675,-112.587 -55.675,57.413
+5A on Int1 (GND) "NONET_L02_P-001" (solid, pour order 54): 2.825,24.321 33.825,24.321 33.825,53.413 41.825,53.413 41.825,27.413 41.825,21.413 41.825,-28.648 45.825,-28.648 45.825,-34.587 51.825,-34.587 45.825,-34.587 45.825,-40.587 45.825,-51.587 41.825,-51.587 41.825,-97.587 41.825,-101.587 20.825,-101.587 20.825,-60.587 31.825,-60.587 31.825,-35.587 14.825,-35.587 20.825,-35.587 20.825,-15.587 14.825,-15.587 14.825,12.129 2.825,12.129
+3.3 on Int1 (GND) "NONET_L02_P-001" (solid, pour order 55): 26.825,57.413 65.825,57.413 65.825,50.483 83.831,50.558 83.831,44.558 82.829,43.413 26.825,43.413 26.825,44.558
+3.3 on Int1 (GND) "NONET_L02_P-001" (solid, pour order 66): 27.104,-7.43 49.104,-7.43 49.104,-10.43 84.11,-10.284 84.11,-16.284 82.094,-18.587 27.104,-18.587 27.104,-16.284
+3.3 on Int1 (GND) "NONET_L02_P-001" (solid, pour order 67): 27.2,-68.824 49.2,-68.824 49.2,-71.824 84.206,-71.679 84.206,-77.679 80.784,-81.587 27.2,-81.587 27.2,-77.679
GND on Int2 (PWR) "NONET_L02_P-001" (solid, pour order 48): -55.675,57.413 31.825,57.413 31.825,-112.587 -55.675,-112.587
GND on Int2 (PWR) "NONET_L02_P-001" (solid, pour order 51): 26.818,53.404 48.818,53.404 48.818,50.404 83.824,50.55 83.824,44.55 26.818,44.55
GND on Int2 (PWR) "NONET_L02_P-001" (solid, pour order 50): 26.89,2.793 48.89,2.793 48.89,-10.861 83.896,-10.715 83.896,-16.715 26.89,-16.715
GND on Int2 (PWR) "NONET_L02_P-001" (solid, pour order 49): 27.327,-68.716 49.327,-68.716 49.327,-71.716 84.333,-71.57 84.333,-77.57 27.327,-77.57

## Keep-outs
Keep-Out Layer:
  the board outline again, w0.254

## Other copper
Top Layer:
  pour cut-out: 13.015,14.683 13.015,2.683 9.015,2.683 9.015,14.683
Int1 (GND):
  pour cut-out: 10.265,-28.417 10.265,-89.217 -11.085,-89.367 -10.935,-73.217 -27.235,-73.217 -27.235,-28.417

## Silkscreen, mask and mechanical layers (free items; w line width, h text height)
Top Overlay:
  text "+5 | GND | +12 | RTN" at -11.904,55.693 h0.76
Bottom Overlay:
  drawing of 25 lines, arcs and shapes, not listed
  text "+5 | GND | +12 | RTN" at 2.08,55.708 h0.76
  text "MDriver Control v1.00" at -0.254,39.254 h1.52
  text "Channel C" at 100.746,32.254 h1.52
  text "." at -2.692,19.777 h5.08
  text "171-" at -4.126,19.756 h0.76
  text "-170" at 7.078,19.005 h0.76
  text "." at 6.245,18.946 h5.08
  text "." at -2.667,15.806 h5.08
  text "161-" at -5.879,15.589 h0.5
  text "-160" at 6.935,15.065 h0.76
  text "." at 6.245,14.979 h5.08
  text "-150" at 7.099,11.05 h0.76
  text "." at 6.286,10.992 h5.08
  text "." at -2.907,7.818 h5.08
  text "141" at -4.207,7.518 h0.5
  text "-140" at 7.085,7.021 h0.76
  text "." at 6.265,6.957 h5.08
  text "131-" at -4.928,3.877 h0.76
  text "." at -3.407,3.818 h5.08
  text "." at 6.231,2.983 h5.08
  text "-130" at 7.089,2.949 h0.76
  text "121-" at -4.807,0.418 h0.5
  text "." at -3.407,-0.182 h5.08
  text "." at 6.197,-0.245 h5.08
  text "-122" at 6.91,-0.269 h0.76
  text "26" at -47.408,-16.9 h0.76
  text "50" at -13.984,-16.978 h0.76
  text "." at -21.553,-17.231 h1.52
  text "." at -34.352,-17.242 h1.52
  text "." at -27.933,-17.306 h1.52
  text "." at -40.788,-17.413 h1.52
  text "120" at 7.862,-21.052 h0.5 r90
  text "119" at -3.605,-21.165 h0.5 r90
  text "." at 6.541,-21.171 h5.08
  text "111-" at -5.207,-24.282 h0.5
  text "." at -2.707,-24.382 h5.08
  text "-110" at 7.793,-25.082 h0.76 r90
  text "." at 6.493,-25.182 h5.08
  text "." at -20.296,-27.024 h1.52
  text "." at -33.04,-27.078 h1.52
  text "." at -26.666,-27.091 h1.52
  text "." at -39.335,-27.163 h1.52
  text "25" at -47.59,-27.761 h0.76
  text "1" at -13.578,-28.231 h0.76
  text "101-" at -4.607,-28.382 h0.5
  text "." at -2.707,-28.382 h5.08
  text "-100" at 7.293,-29.082 h0.76
  text "." at 6.493,-29.182 h5.08
  text "Channel B" at 99.746,-29.746 h1.52
  text "91-" at -4.207,-32.482 h0.5
  text "." at -2.707,-32.482 h5.08
  text "-90" at 7.493,-33.082 h0.76
  text "." at 6.493,-33.182 h5.08
  text "81-" at -4.107,-36.282 h0.5
  text "." at -2.707,-36.382 h5.08
  text "-80" at 9.093,-37.082 h0.76
  text "." at 6.493,-37.282 h5.08
  text "71-" at -4.207,-40.282 h0.5
  text "." at -2.707,-40.382 h5.08
  text "." at 6.493,-41.182 h5.08
  text "-70" at 7.893,-41.182 h0.76
  text "." at -2.707,-44.382 h5.08
  text "-60" at 7.493,-45.182 h0.76
  text "." at 6.493,-45.282 h5.08
  text "." at -2.707,-51.582 h5.08
  text "51-" at -4.307,-51.682 h0.5
  text "-50" at 8.893,-52.282 h0.76
  text "." at 6.521,-52.353 h5.08
  text "41-" at -11.245,-55.129 h0.5
  text "." at -2.707,-55.582 h5.08
  text "-40" at 7.693,-56.182 h0.76 r90
  text "." at 6.393,-56.382 h5.08
  text "." at -2.707,-59.582 h5.08
  text "31-" at -7.079,-59.65 h0.5
  text "." at 6.493,-60.382 h5.08
  text "." at -2.707,-63.582 h5.08
  text "-20" at 7.193,-63.582 h0.76 r90
  text "21-" at -12.235,-63.663 h0.5
  text "." at 6.593,-64.382 h5.08
  text "." at -2.707,-67.582 h5.08
  text "11-" at -11.753,-67.676 h0.5
  text "-10" at 7.193,-67.682 h0.76 r90
  text "." at 6.593,-68.382 h5.08
  text "." at -2.707,-71.582 h5.08
  text "." at 6.593,-71.582 h5.08
  text "-2" at 7.793,-71.782 h0.5
  text "1-" at -4.074,-72.821 h0.5
  text "1" at 21.476,-82.001 h0.76
  text "19" at 7.309,-82.078 h0.76
  text "1" at 11.699,-86.567 h0.5 r90
  text "2" at 21.805,-90.711 h0.76
  text "20" at 7.383,-90.726 h0.76
  text "Channel A" at 102.746,-90.746 h1.52
Mechanical 1:
  text "[x] Checked Hole Positioning and Locked Connectors" at -57.831,62.705 h1.52

## Text inside footprints (layer, text, board x,y; h text height)
J4: Bottom Overlay "1" at -0.319,-4.508 h0.5 r270; Bottom Overlay "2" at 3.085,-4.508 h0.5 r270; Bottom Overlay "60" at 3.085,26.705 h0.5 r270; Bottom Component Center "1" at -0.319,-4.508 h0.5 r270; Bottom Component Center "2" at 3.085,-4.508 h0.5 r270; Bottom Component Center "59" at -0.319,26.705 h0.5 r270; Bottom Component Center "60" at 3.085,26.705 h0.5 r270; Mechanical 40 "7.010" at 1.891,-7.125 h0.5 r270; Mechanical 40 "1.499" at -3.05,-4.793 h0.5 r270; Mechanical 40 "0.203" at -2.364,-4.794 h0.5 r270; Mechanical 40 "3.404" at 1.891,-5.429 h0.5 r270; Mechanical 40 "0.800" at 6.088,-2.447 h0.5 r270; Mechanical 40 "26.200" at -4.151,10.814 h0.5 r270; Mechanical 40 "23.202" at 6.841,10.814 h0.5 r270; Mechanical 40 "28.563" at 7.933,10.814 h0.5 r270; Mechanical 40 "1.702" at 2.77,26.692 h0.5 r270; Mechanical 40 "1.499" at 6.841,26.703 h0.5 r270
P1: Bottom Overlay "2" at -2.583,12.13 h0.5; Bottom Overlay "1" at -2.883,9.43 h0.5; Bottom Overlay "9" at -16.903,9.43 h0.5; Bottom Overlay "10" at -16.903,12.13 h0.5
P3: Bottom Overlay "10" at 24.5,38.5 h1.02; Bottom Overlay "9" at 10.5,37 h1.02; Bottom Overlay "2" at 23.889,24.816 h1.02; Bottom Overlay "1" at 10.326,25.401 h1.02
P4: Bottom Overlay "10" at 25,14.5 h1.02 r270; Bottom Overlay "9" at 11,15 h1.02 r270; Bottom Overlay "2" at 23,1 h1.02 r270; Bottom Overlay "1" at 10.5,1.5 h1.02 r270